# Altium PCB Drive.PcbDoc
Units mil, origin at the board's own origin, x right, y up, seen from the top; angles counter-clockwise.
Board outline 2755 x 1300 mil, 4 copper layers (Top Layer, GND, VCC, Bottom Layer), stack 26.556 mil thick; 45 components, 38 nets, 213 pads, 135 vias.
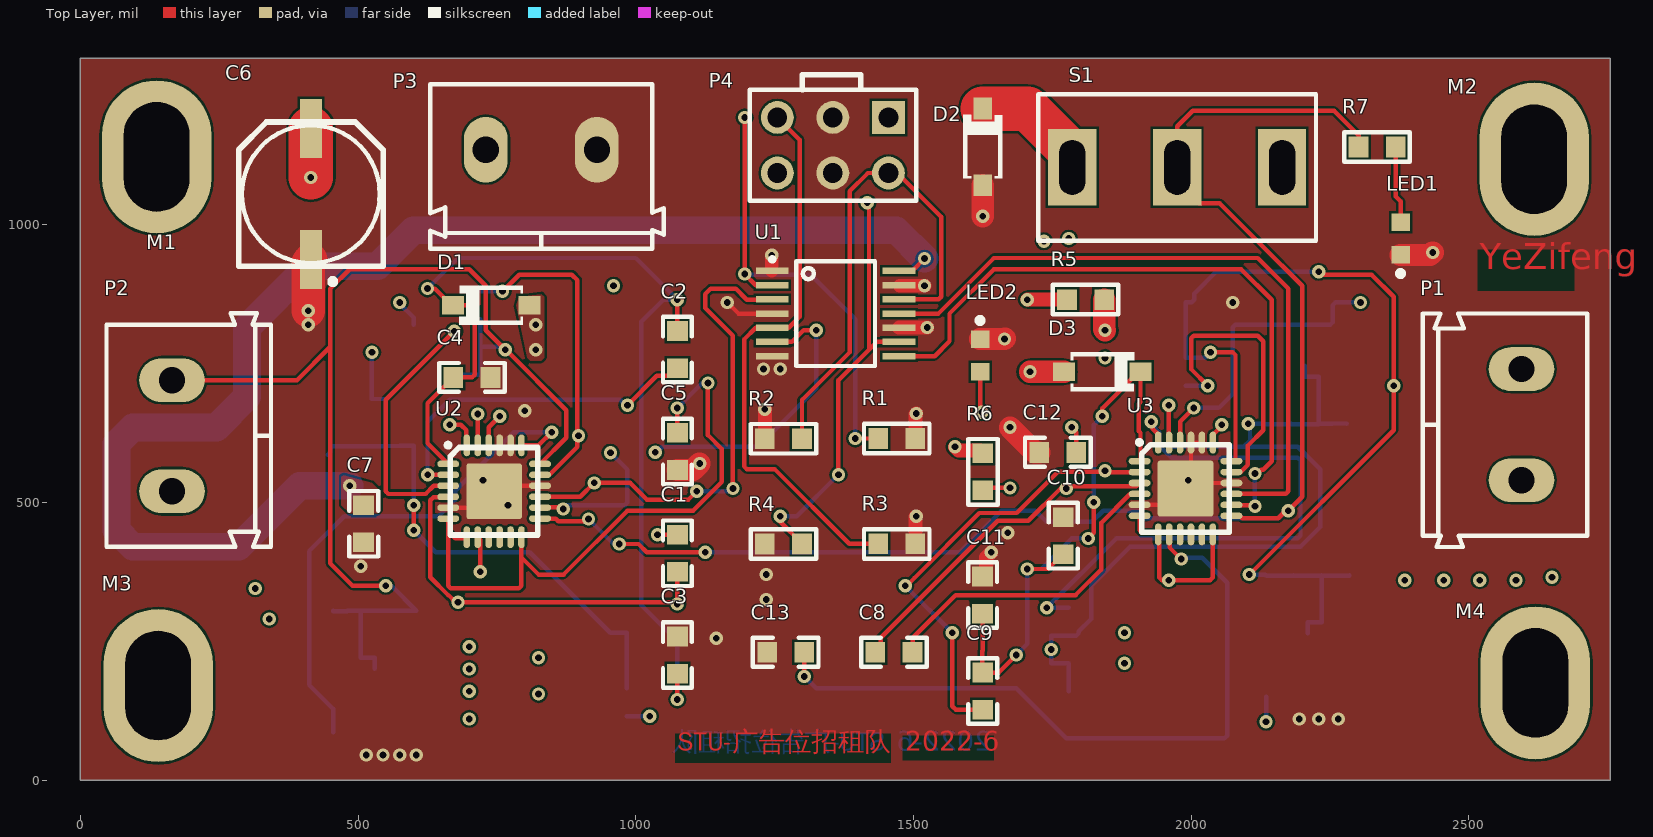
[diagram p0: Top Layer view]
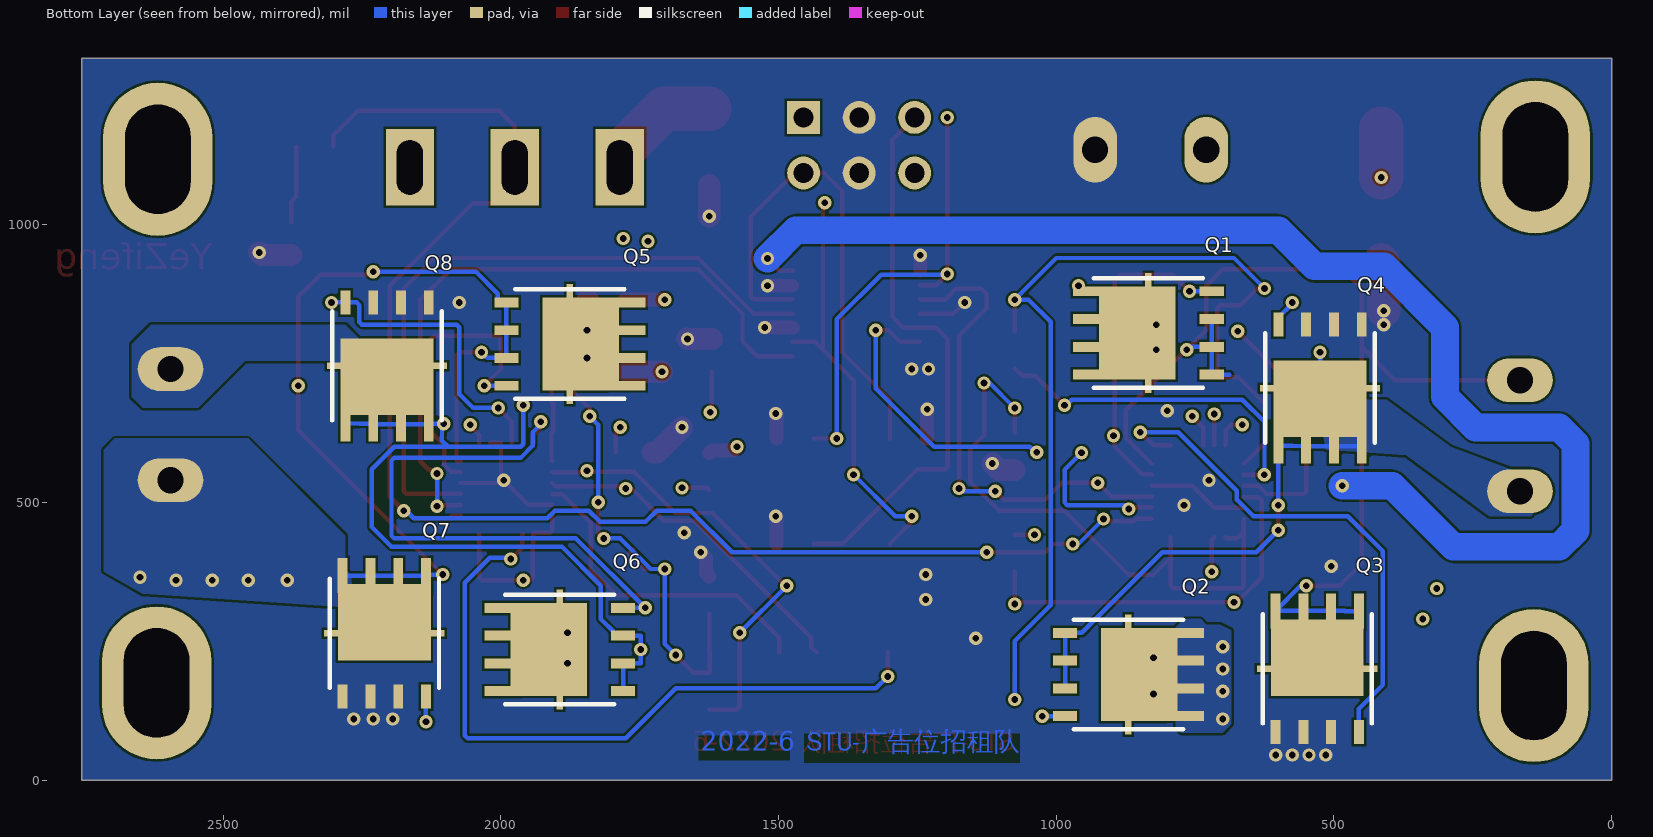
[diagram p1: Bottom Layer view, seen from below]
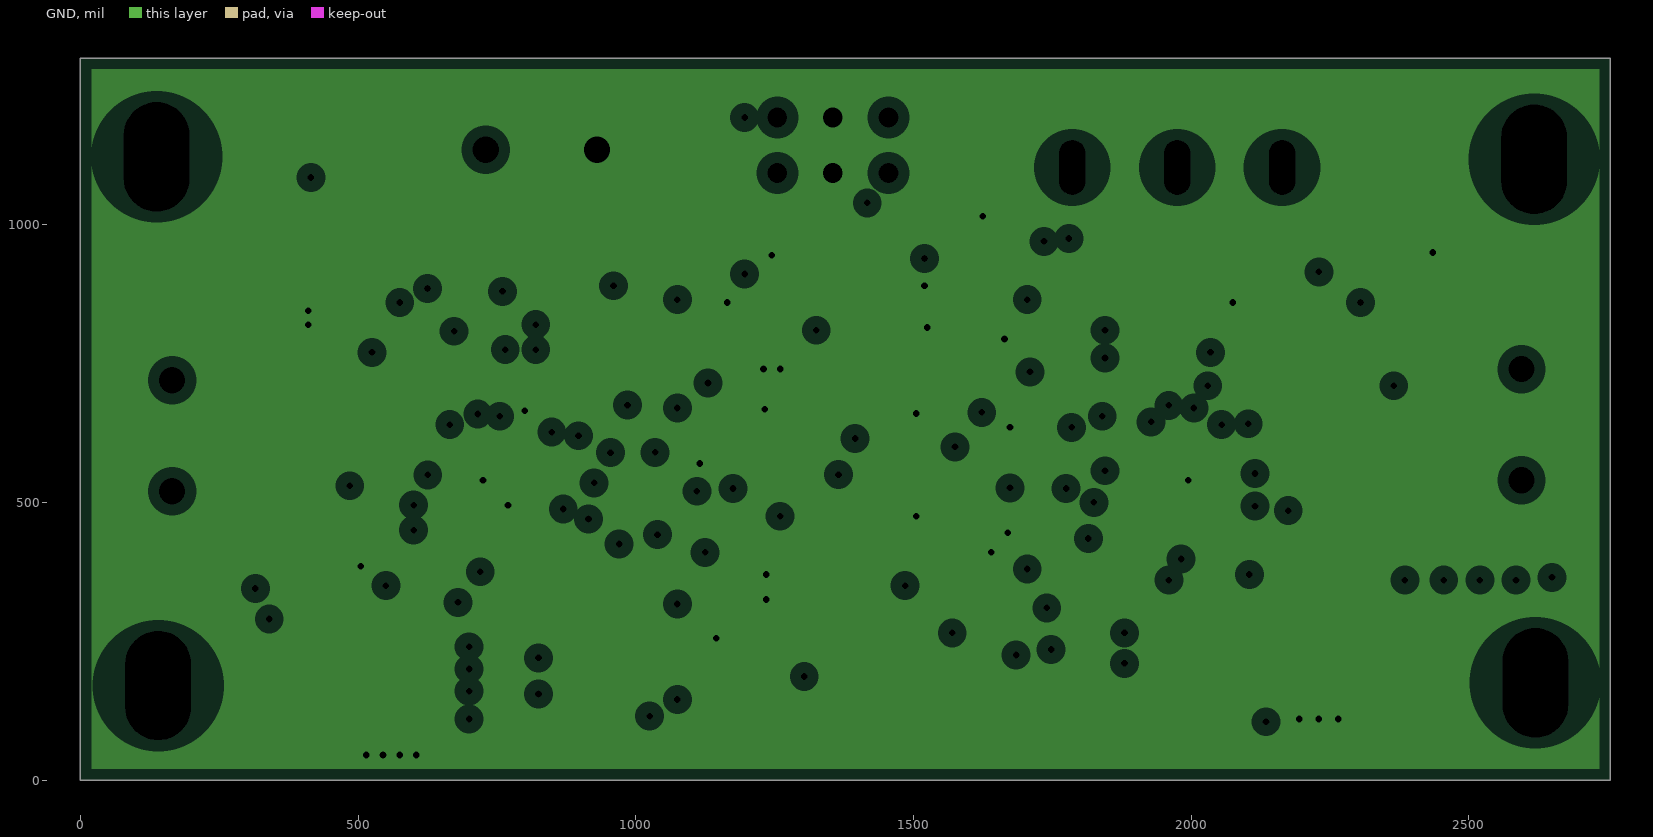
[diagram p2: GND, clearances drawn from the general rule]
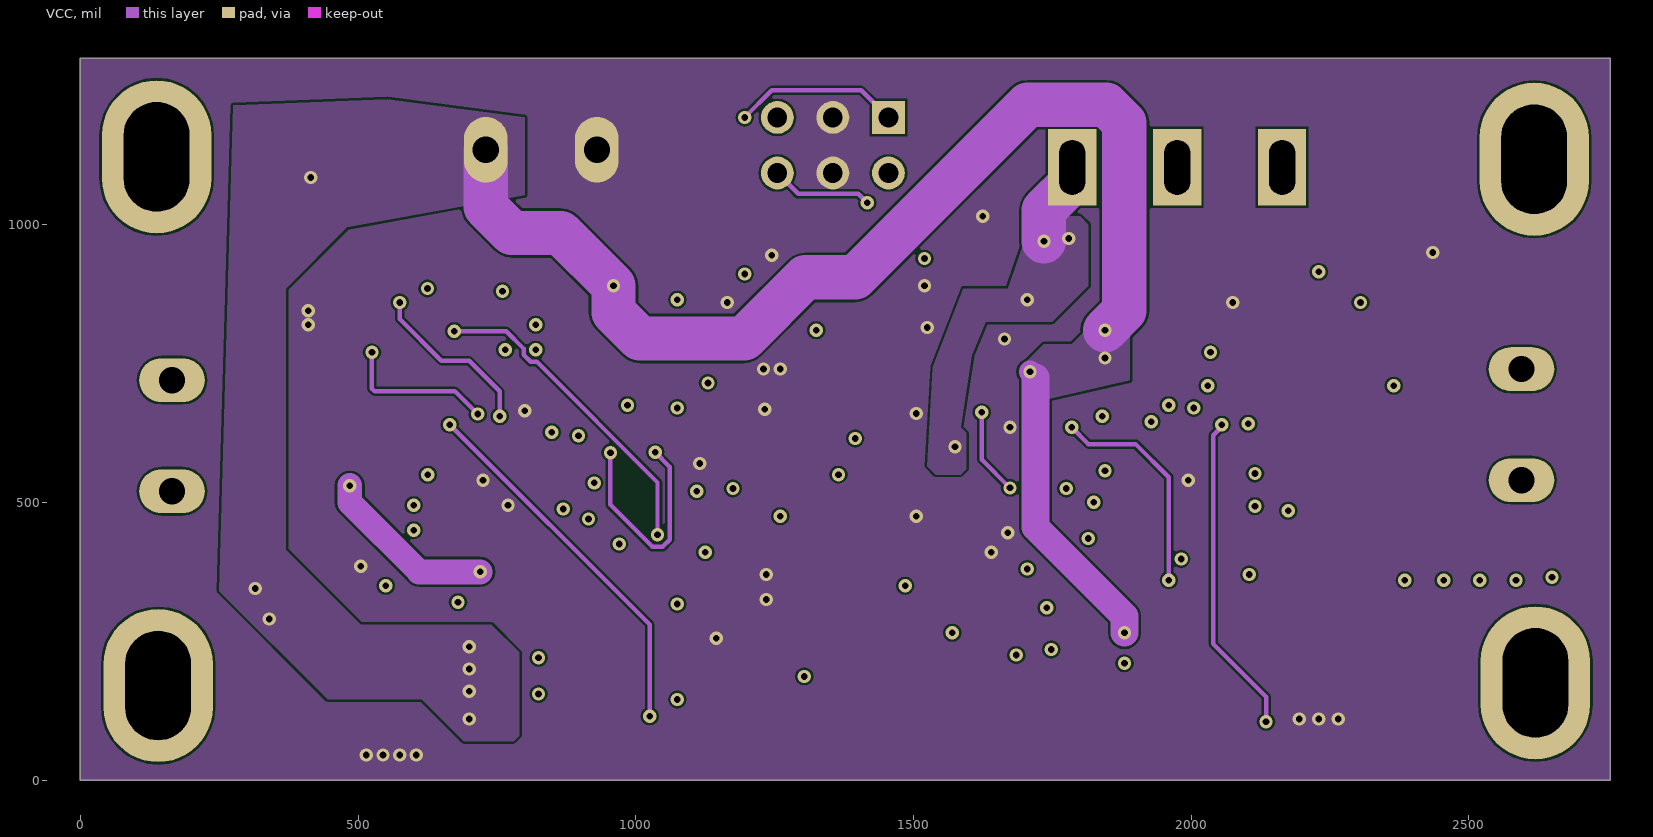
[diagram p3: VCC]
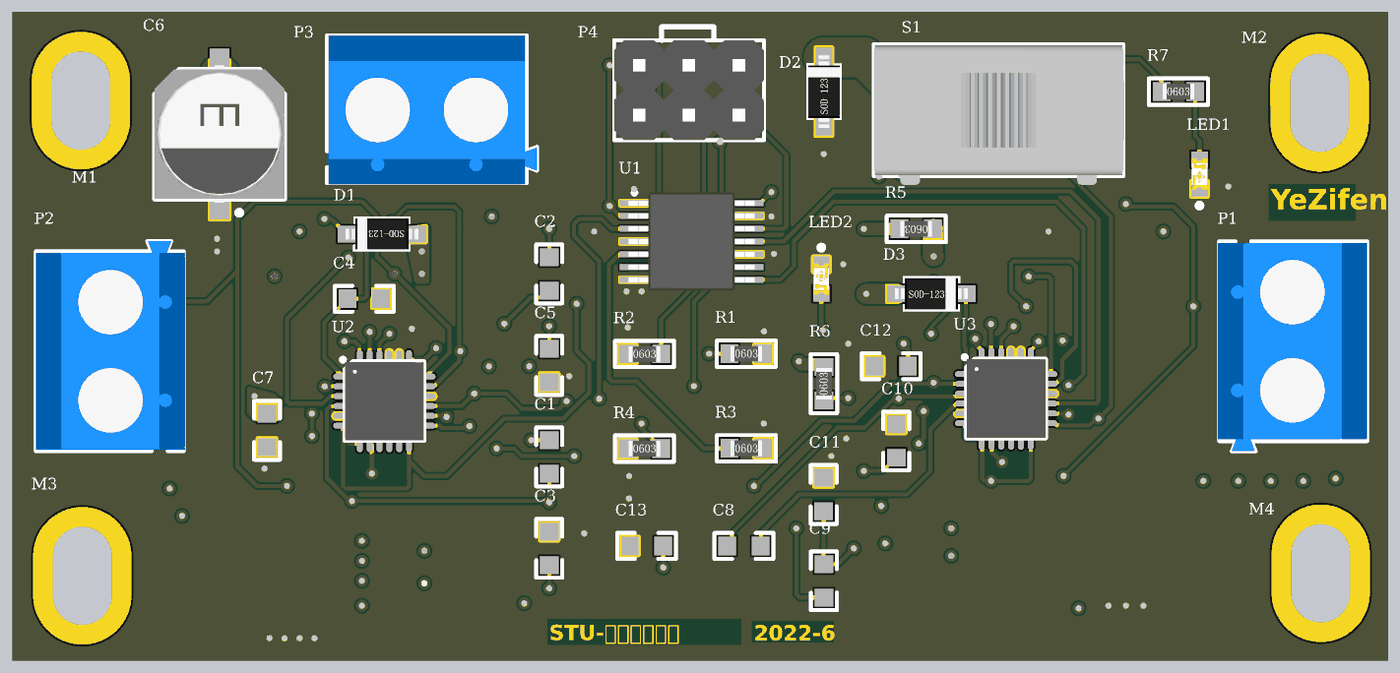
[diagram p4: 3D render of the assembled board from above, using the file's embedded part models]
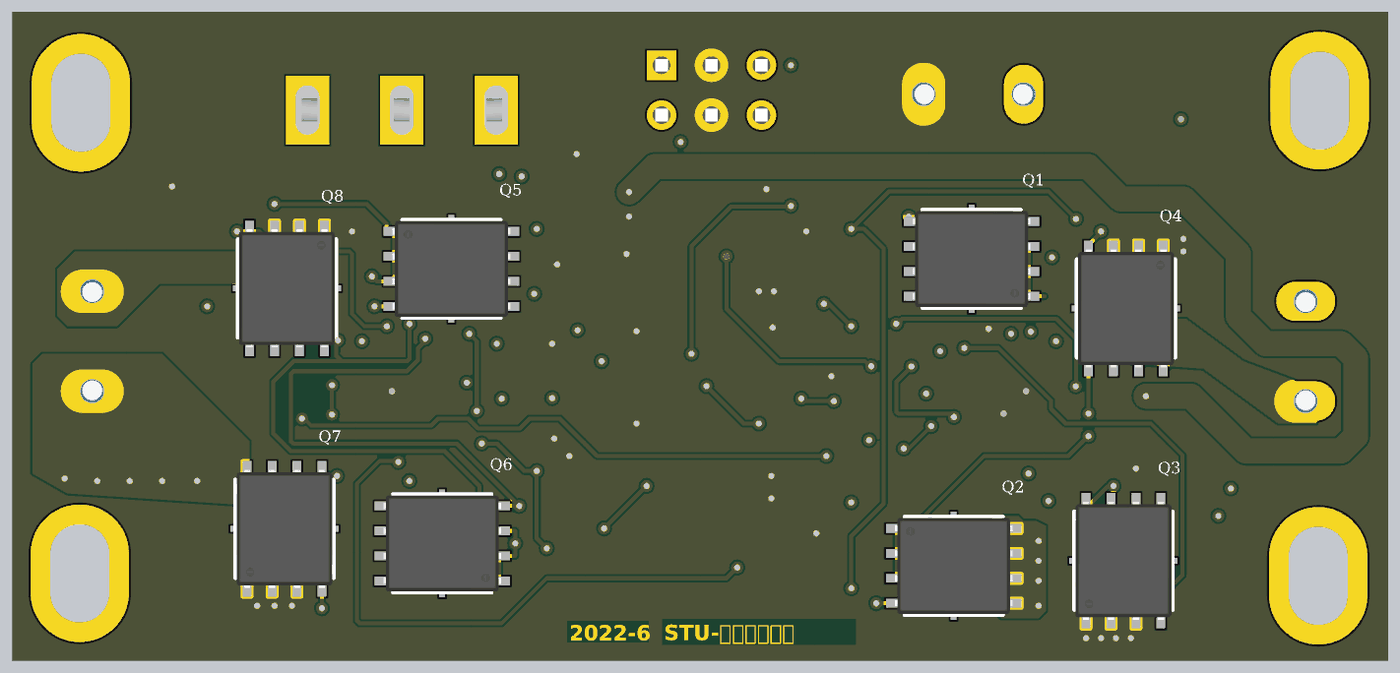
[diagram p5: 3D render of the assembled board from below, using the file's embedded part models]

## Layer stack, top to bottom
Top Solder: solder mask 0.4, Solder Resist, Dk 3.5
Top Layer: signal copper 1.4
Dielectric 2: prepreg 2.8, PP-006, Dk 4.1
GND: plane copper 1.378, net GND
Dielectric 4: prepreg 2.8, PP-006, Dk 4.1
VCC: signal copper 1.378
Dielectric 1: dielectric 12.6, FR-4, Dk 4.8
Dielectric 3: prepreg 2.8, PP-006, Dk 4.1
Bottom Layer: signal copper 1.4
Bottom Solder: solder mask 0.4, Solder Resist, Dk 3.5

## Board outline
0,0 0,1300 2755,1300 2755,0

## Design rules (kind name [scope] priority, off if disabled: settings)
Clearance [All] p1: gap=4 ignorepadtopadclearanceinfootprint=FALSE
PlaneClearance [All] p1: clearance=20
PlaneConnect [All] p1: planeconnectstyle=Direct reliefexpansion=20 reliefentries=4 reliefconductorwidth=10 reliefairgap=10
PolygonConnect [All] p1: connectstyle=Direct reliefconductorwidth=10 reliefentries=4 polygonreliefangle="90 Angle" airgapwidth=10
RoutingVias [All] p1: holewidth=12 width=24 viastyle="Through Hole" minholewidth=12 minwidth=24 maxholewidth=12 maxwidth=24
SilkToSolderMaskClearance [IsPad] p1: minsilkscreentomaskgap=0 clearancetoexposedcopper=TRUE
SolderMaskExpansion [All] p1: expansion=4 istentingtop=FALSE
Width Width_1 [InNetClass('PWR')] p1: maxlimit=80 minlimit=8 preferedwidth=80
Width [All] p2: maxlimit=8 minlimit=8 preferedwidth=8
27 further rules are at their usual default settings.

## Classes and differential pairs
net class net: L_A L_B L_EN L_EN_IN L_PH L_PH_IN NetC1_1 NetC1_2 NetC2_1 NetC2_2 NetC5_2 NetC8_1 NetC8_2 NetC9_1 NetC9_2 NetC12_2 NetC13_2 NetLED1_A NetLED2_A NetQ1_2 NetQ2_2 NetQ3_2 NetQ4_2 NetQ5_2 NetQ6_2 NetQ7_2 NetQ8_2 nSLEEP R_A R_B R_EN R_EN_IN R_PH R_PH_IN
net class PWR: 3.3V DVDD GND VM

## Components (designator, comment, footprint, x,y, rotation, side; value= is the part's Value field where it differs from the comment)
C1 "100nF ±10% 50V" CAPC1608[0603]S-N 1075,408.33 r90 top value=100nF
C2 "1uF ±10% 25V" CAPC1608[0603]S-N 1075,775 r90 top value=1uF
C3 "10uF ±10% 25V" CAPC1608[0603]S-N 1075,225 r90 top value=10uF
C4 "100nF ±10% 50V" CAPC1608[0603]S-N 705,725 r0 top value=100nF
C5 "1uF ±10% 25V" CAPC1608[0603]S-N 1075,591.67 r90 top value=1uF
C6 "220uF 25V" CAPS6.3 415,1055 r270 top value=220uF
C7 "1uF ±10% 25V" CAPC1608[0603]S-N 510,461.54 r90 top value=1uF
C8 "100nF ±10% 50V" CAPC1608[0603]S-N 1465,230 r180 top value=100nF
C9 "1uF ±10% 25V" CAPC1608[0603]S-N 1625,160 r90 top value=1uF
C10 "10uF ±10% 25V" CAPC1608[0603]S-N 1770,440 r90 top value=10uF
C11 "100nF ±10% 50V" CAPC1608[0603]S-N 1624.59,332.9 r90 top value=100nF
C12 "1uF ±10% 25V" CAPC1608[0603]S-N 1760,590 r0 top value=1uF
C13 "1uF ±10% 25V" CAPC1608[0603]S-N 1270,230 r0 top value=1uF
D1 "1N5819" SOD-123-L 740,855 r180 top
D2 "BZT52C3V3" SOD-123-L 1625,1140 r90 top
D3 "1N5819" SOD-123-L 1840,735 r0 top
LED1 "Blue" LEDC1608(0603) 2377.2,975 r90 top
LED2 "" LEDC1608(0603) 1620,764.53 r270 top
M1 "MountHole" M3-MountSlot 160,1105 r90 top
M2 "MountHole" M3-MountSlot 2595,1135 r270 top
M3 "MountHole" M3-MountSlot 162.8,152.83 r90 top
M4 "MountHole" M3-MountSlot 2642.8,157.83 r90 top
P1 "KF/WJ/DG 30x connecter" "KF/WJ/DG 301-2p-5.0mm" 2595,640 r90 top
P2 "KF/WJ/DG 30x connecter" "KF/WJ/DG 301-2p-5.0mm" 165,620 r270 top
P3 "KF/WJ/DG 30x connecter" "KF/WJ/DG 301-2p-5.0mm" 830,1135 r180 top
P4 "Header 3X2" HDR2X3 1455,1193.06 r180 top
Q1 "TPH1R403NL" DFN5x6 834.17,805 r90 bottom
Q2 "TPH1R403NL" DFN5x6 870,190 r270 bottom
Q3 "TPH1R403NL" DFN5x6 530,200.31 r180 bottom
Q4 "TPH1R403NL" DFN5x6 525,705.83 r0 bottom
Q5 "TPH1R403NL" DFN5x6 1875.83,785 r270 bottom
Q6 "TPH1R403NL" DFN5x6 1894.17,235 r90 bottom
Q7 "TPH1R403NL" DFN5x6 2210,264.17 r180 bottom
Q8 "TPH1R403NL" DFN5x6 2205,745.83 r0 bottom
R1 "10K ±1%" RESC1608[0603]S-N 1470,615 r0 top value=10K
R2 "10K ±1%" RESC1608[0603]S-N 1265.91,614.49 r0 top value=10K
R3 "10K ±1%" RESC1608[0603]S-N 1470,425.29 r0 top value=10K
R4 "10K ±1%" RESC1608[0603]S-N 1265.91,424.83 r0 top value=10K
R5 "2.2K ±1%" RESC1608[0603]S-N 1810,865 r180 top value=2.2K
R6 "1K ±1%" RESC1608[0603]S-N 1625,555 r90 top value=1K
R7 "330R ±1%" RESC1608[0603]S-N 2335,1140 r0 top value=330R
S1 "SW-SPDT" SS12D10 1975,1103.11 r180 top
U1 "SN74HC125PWR" TSSOP-14 1360,840 r0 top
U2 "DRV8701E" QFN24-4x4 745,520 r0 top
U3 "DRV8701E" QFN24-4x4 1990,525 r0 top

## Footprints (in the part's own frame and the unit in brackets; to place one, negate y for a bottom-side part, rotate by r counter-clockwise, add the part's x,y. Pads: shape width x height; smd on the part's side, far side on the other; paste and mask are expansions set on the pad)
CAPC1608[0603]S-N [mm]
  rect 0.9x0.95 smd: 1(-0.85,0) 2(0.85,0)
  silkscreen extent -1.5,-0.66 1.5,0.66, body extent -0.8,-0.41 0.8,0.41, height 0.79
CAPS6.3 [mm]
  rect 2.7x1 smd: 1(-3,0) 2(3,0)
  silkscreen extent -3.3,-3.3 4.12,3.3, body extent -3.5,-3.3 3.5,3.3, height 5.2
DFN5x6 [mm]
  rect 0.45x1.6 smd: 1(-1.905,2.65) 1(-0.635,2.65) 1(0.635,2.65) 1(1.905,2.65)
  rect 5.5x0.3 smd: 1(0,0)
  rect 4.25x3.5 smd: 1(0,0.5)
  rect 0.45x1.1 smd: 2(1.905,-2.9) 3(-1.905,-2.9) 3(-0.635,-2.9) 3(0.635,-2.9)
  silkscreen extent -2.5,-2.5 2.5,2.5, body extent -2.45,-3 2.45,3, height 1
HDR2X3 [mm]
  rect 1.5x1.5 hole 0.9: 1(0,0)
  round 1.5 hole 0.9: 2(0,2.54) 3(2.54,0) 4(2.54,2.54) 5(5.08,0) 6(5.08,2.54)
  silkscreen extent -1.27,-1.27 6.35,3.81, body extent -1.27,-1.27 6.35,3.81, height 8.54
"KF/WJ/DG 301-2p-5.0mm" [mm]
  oval 2x3 hole 1.2: 1(2.54,0) 2(-2.54,0)
  silkscreen extent -5.6,-3 5.08,4.53, body extent -5.6,-3 5,4.6, height 10
LEDC1608(0603) [mm]
  rect 0.8x0.85 smd: A(0.75,0) C(-0.75,0)
  silkscreen extent -1.73,-0.13 -1.48,0.12, body extent -0.8,-0.4 0.8,0.4, height 0.64
M3-MountSlot [mm]
  oval 7x5 hole 3 slot 5 at 0 deg: 1(0.436,0.579)
QFN24-4x4 [mm]
  rrect10% 2.55x2.55 smd: 0(0,0)
  oval 1x0.3 smd: 1(-2.1,1.25) 2(-2.1,0.75) 3(-2.1,0.25) 4(-2.1,-0.25) 5(-2.1,-0.75) 6(-2.1,-1.25) 13(2.1,-1.25) 14(2.1,-0.75) 15(2.1,-0.25) 16(2.1,0.25) 17(2.1,0.75) 18(2.1,1.25)
  oval 0.3x1 smd: 7(-1.25,-2.1) 8(-0.75,-2.1) 9(-0.25,-2.1) 10(0.25,-2.1) 11(0.75,-2.1) 12(1.25,-2.1) 19(1.25,2.1) 20(0.75,2.1) 21(0.25,2.1) 22(-0.25,2.1) 23(-0.75,2.1) 24(-1.25,2.1)
  silkscreen extent -2.21,-2 2,2.21, body extent -2,-2 2,2, height 0.9
RESC1608[0603]S-N [mm]
  rect 0.9x0.95 smd: 1(-0.85,0) 2(0.85,0)
  silkscreen extent -1.5,-0.67 1.5,0.67, body extent -0.8,-0.4 0.8,0.4, height 0.45
SOD-123-L [mm]
  rect 1x0.85 smd: A(-1.75,0) K(1.75,0)
  silkscreen extent -1.45,-0.9 1.47,0.9, body extent -1.85,-0.8 1.85,0.8, height 1.2
SS12D10 [mm]
  rect 2.2x3.5 hole 1.2 slot 2.5 at 90 deg mask+0.07: 1(-4.8,0) 2(0,0) 3(4.8,0)
  silkscreen extent -6.35,-3.35 6.35,3.35, body extent -6.4,-3.3 6.35,3.8, height 12.5
TSSOP-14 [mm]
  rect 1.5x0.3 smd mask+0.07: 1(-2.9,1.95) 2(-2.9,1.3) 3(-2.9,0.65) 4(-2.9,0) 5(-2.9,-0.65) 6(-2.9,-1.3) 7(-2.9,-1.95) 8(2.9,-1.95) 9(2.9,-1.3) 10(2.9,-0.65) 11(2.9,0) 12(2.9,0.65) 13(2.9,1.3) 14(2.9,1.95)
  silkscreen extent -2.99,-2.4 1.8,2.57, body extent -3.2,-2.5 3.2,2.5, height 1.13

## Part data
C1 C4 C8 C11: library part Cap-Chip_1, "贴片电容", Tolerance=±10%, Voltage=50V, Price(RMB)=0.000, Published=8-Jun-2000, Publisher="Altium Limited", Revision="July-2002: Re-released for DXP Platform."
C2 C5 C7 C9 C12 C13: library part Cap-Chip_2, "贴片电容", Tolerance=±10%, Voltage=25V, Price(RMB)=0.000, Published=8-Jun-2000, Publisher="Altium Limited", Revision="July-2002: Re-released for DXP Platform."
C3 C10: library part Cap-Chip, "贴片电容", Tolerance=±10%, Voltage=25V, Price(RMB)=0.000, Published=8-Jun-2000, Publisher="Altium Limited", Revision="July-2002: Re-released for DXP Platform."
C6: library part Cap-Elect, "Polarized Capacitor (Radial)", Voltage=25V, Price(RMB)=0.000, Published=8-Jun-2000, Publisher="Altium Limited", Revision="July-2002: Re-released for DXP Platform."
D1 D3: library part "Diode Schottky", "肖特基二极管 Diode", Imax=500mA, PartNumber=1N5819, Price(RMB)=0.000, Published=8-Jun-2000, Publisher="Altium Limited", Revision="July-2002: Re-released for DXP Platform."
D2: library part "Diode Zen", "3.3V稳压二极管 SOD-123", Price(RMB)=0.000, Published=8-Jun-2000, Publisher="Altium Limited", Revision="July-2002: Re-released for DXP Platform."
LED1: library part "LED Chip Blue", "Typical Chip LED", Color=Blue, Price(RMB)=0.00, Published=8-Jun-2000, Publisher="Altium Limited", Revision="July-2002: Re-released for DXP Platform."
LED2: library part "LED Chip Red", "Typical Chip LED", Price(RMB)=0.00, Published=8-Jun-2000, Publisher="Altium Limited", Revision="July-2002: Re-released for DXP Platform."
M1 M2 M3 M4: "固定孔"
P1 P2 P3: library part "KF/WJ/DG 30x", "接线端子 2Pin"
P4: "Header, 3-Pin, Dual row", LatestRevisionDate=17-Jul-2002, LatestRevisionNote="Re-released for DXP Platform.", Price(RMB)=0.00, Publisher="Altium Limited"
Q1 Q2 Q3 Q4 Q5 Q6 Q7 Q8: "东芝 N沟 MOS"
R1 R2 R3 R4: library part Res-Chip_1, "贴片电阻", Tolerance=±1%, Price(RMB)=0.000, Published=8-Jun-2000, Publisher="Altium Limited", Revision="July-2002: Re-released for DXP Platform."
R5: library part Res-Chip, "贴片电阻", Tolerance=±1%, Price(RMB)=0.000, Published=8-Jun-2000, Publisher="Altium Limited", Revision="July-2002: Re-released for DXP Platform."
R6: library part Res-Chip_2, "贴片电阻", Tolerance=±1%, Price(RMB)=0.000, Published=8-Jun-2000, Publisher="Altium Limited", Revision="July-2002: Re-released for DXP Platform."
R7: library part Res-Chip_3, "贴片电阻", Tolerance=±1%, Price(RMB)=0.000, Published=8-Jun-2000, Publisher="Altium Limited", Revision="July-2002: Re-released for DXP Platform."
S1: "单刀双掷开关 3脚船型、钮子、拨动开关 SPDT Subminiature Toggle Switch", Price(RMB)=0.000, Published=24-Mar-1999, Publisher="Altium Limited"
U1: "三态输出的四路缓冲器 TSSOP-20"
U2 U3: "DRV8701E Ti全桥驱动芯片"

## Via types
v1: diameter 24, hole 12, Top Layer to Bottom Layer, tented both sides, 135 vias

## Nets (pads, with @x,y where several pads share a name; then routed paths per layer and width w, separated by ;. In a path a pad name is that pad's centre, name@x,y a point inside that pad or via, vN(x,y) a via of type N, cw(c..) or ccw(c..) an arc to the next point about the centre after c; other vN are vias at no path point)
3.3V: D2.K R5.2 R6.2 S1.3 | length 500.4
  Top Layer w25: v1(1575,600) 1581.32,593.68 1619.78,593.68 R6.2 ; v1(1705,865) R5.2
  Top Layer w80: D2.K 1705.83,1208.9 1786.02,1128.7 S1.3
  VCC w80: v1(1735,970) 1735,1026.5 1786.02,1077.52 S1.3
  other v1: 1780,975
DVDD: C7.2 U1.14 U2.8 | length 2789.7
  Top Layer w8: U2.8 720,432.79 v1(720,375) v1@720,385 ; U1.14 1497.8,916.77 v1(1520,938.98) v1@1520,940
  VCC w45: v1(485,530) 485,500 610,375 v1(720,375)
  Bottom Layer w50: v1(485,530) 395,530 285,420 94.29,420 65,449.29 65,605.71 94.29,635 245,635 300,690 300,815 410,925 535,925 600,990 1468.98,990 v1(1520,938.98)
GND: C3.2 C4.2 C5.1 C6.2 C7.1 C10.2 C11.2 C12.1 C13.1 D2.A LED1.C LED2.C P3.2 P4.3 P4.4 Q3.3 Q4.3 Q7.3 Q8.3 R1.2 R2.1 R3.2 R4.1 U1.1 U1.4 U1.7 U1.10 U1.13 U2.0 U2.5 U2.16 U2.20 U2.21 U3.0 U3.5 U3.16 U3.20 U3.21 | length 1232.6
  Top Layer w8: U2.5 715.47,490.47 U2.0 754.84,529.84 U2.16 ; v1(1165,860) 1185,840 U1.4 ; U3.5 1950.47,495.47 v1(1995,540) 1999.84,544.84 U3.21 U3.20 ; U3.0@2000.16,534.84 U3.16
  Top Layer w25: R2.1 v1(1232.44,667.44) ; U1.1@1245,917.6 v1(1245,945) ; U1.10 1474.76,815 v1(1525,815) ; U1.13@1475.36,890 v1(1520,890) ; R3.2 1503.46,473.46 v1(1505,475) ; R1.2 1503.46,658.46 v1(1505,660) ; C11.2 1625.57,366.36 1630.79,371.58 1630.79,400.79 v1(1640,410)
  Top Layer w40: C5.1 1103.2,558.2 v1(1115,570) ; LED2.C v1(1664.06,794.06) v1@1665,795 ; v1(1625,1015) D2.A ; v1(1674,635) 1719,590 C12.1 ; LED1.C 2430.47,945.47 v1(2435,950)
  Top Layer w60: v1(410,845) 410,931.89 C6.2
  other v1: 515,45 545,45 575,45 605,45 2195,110 2230,110 2265,110 1145,255 1235,325 1235,370 505,385 1670,445 770,495 725,540 800,665 1230,740 1260,740 410,820 2075,860
L_A: P2.1 Q2.3 Q4.1 U2.23 | length 1407.1
  Top Layer w8: v1(600,450) v1(600,495) ; U2.23 v1(715.47,659)
  VCC w8: v1(525,770) 525,704.69 529.69,700 674.47,700 v1(715.47,659)
  Bottom Layer w8: Q4.1@445.14,585.32 450,590.18 Q4.1@450,601.5 ; Q4.1@450,601 Q4.1@500,601 ; Q4.1@500,601.5 Q4.1@500,601 ; v1(525,770) 525,705.83 525,686.14 550,686.14 Q4.1@550,601.5 ; v1(600,450) 640,410 809,410 954,265 Q2.3@984,265 ; v1(600,495) 600,601.5 600,602 575,602 574.5,601.5 Q4.1@550,601.5 ; Q2.3@984.17,165 984,165 Q2.3@984,215 ; Q2.3@984.17,215 Q2.3@984,215 ; Q2.3@984.17,265 Q2.3@984,265 ; Q4.1@500,601 550,601 Q4.1@550,601.5 ; Q2.3@984,215 Q2.3@984,265
L_B: P2.2 Q1.3 Q3.1 U2.18 | length 2160.1
  Top Layer w8: P2.2 390,720 450,780 ; v1(550,350) 490,350 450,390 450,780 ; v1(765,775) 730,810 730,890 700,920 485,920 450,885 450,780 ; v1@768,773 875,666 875,616.53 U2.18
  Bottom Layer w8: P2.2 P2.2@165.54,720 ; Q3.1@455,304.65 455,304 480,304 480.65,304.65 Q3.1@505,304.65 ; Q3.1@530,200.31 530,220 505,220 Q3.1@505,304.65 ; v1(550,350) 560,350 Q3.1@605,305 ; Q3.1@555,304.65 Q3.1@555,305 ; Q3.1@605,304.65 Q3.1@605,305 ; 688,730 720,730 Q1.3@720,780 ; Q1.3@720,830 Q1.3@720,780 ; v1(765,775) 760,780 Q1.3@720,780 ; Q3.1@505,304.65 505,305 Q3.1@555,305 ; Q3.1@555,305 Q3.1@605,305
L_EN: U1.6 U2.14 | length 1203.5
  Top Layer w8: U2.14 828.41,491.2 866.48,491.2 v1(869.53,488.16) ; U1.6 1281,788.82 1302.18,810 v1(1325,810)
  VCC w8: v1(954.44,589.44) 954.44,495.44 1030.09,419.8 1048.31,419.8 1061.2,432.69 1061.2,563.8 v1(1035,590)
  Bottom Layer w8: v1(869.53,488.16) 869.53,490.31 874.21,495 980.31,495 985,499.69 985,558.89 v1(954.44,589.44) ; v1(1035,590) 1037.69,590 1047.69,600 1220,600 1325,705 v1(1325,810)
L_EN_IN: P4.5 R3.1 U1.5 | length 1020.4
  Top Layer w8: P4.5 1295,1153.06 1295,834 1275.41,814.41 U1.5 1216,814.41 1195,793.41 1195,564.69 1199.69,560 1250,560 1384.71,425.29 R3.1
L_PH: U1.3 U2.15 | length 882.5
  Top Layer w8: U2.15 900.16,510.16 v1(925,535) 990,535 1020,505 1095,505 v1(1110,520) ; v1(1175,525) 1175,800 1125,850 1125,875 1135,885 1180,885 1200,865 1245.24,865 U1.3
  Bottom Layer w8: v1(1110,520) 1165.67,520 1170.67,525 v1(1175,525)
L_PH_IN: P4.1 R1.1 U1.2 | length 1128.7
  Top Layer w8: v1(1196,1193) v1(1196,911.18) 1216,891.18 U1.2 ; v1(1395,615) R1.1
  VCC w8: v1(1196,1193) 1245,1242 1406.06,1242 P4.1
  Bottom Layer w8: v1(1196,911.18) 1197.18,910 1315,910 1395,830 v1(1395,615)
NetC1_1: C1.1 U2.4 | length 696.4
  Top Layer w8: U2.4 661.59,509.43 635.81,509.43 630,503.62 630,365.04 662.04,333 662.67,333 675.67,320 1072,320 v1(1075,317) 1075,320 C1.1
  other v1: 680,320
NetC1_2: C1.2 U2.3 | length 1074.9
  Top Layer w8: U2.3 636.43,529.84 621.58,515 554.69,515 550,519.69 550,685 v1(673,808) ; v1(1039.2,441.8) C1.2
  VCC w8: v1(673,808) 767,808 798,777 798,765.89 810.89,753 822,753 1039.2,535.8 v1(1039.2,441.8)
NetC2_1: C2.1 U2.2 | length 631.5
  Top Layer w8: v1@625,550 v1(625.47,549.53) U2.2 ; v1(985,675) 1037.82,727.82 1061.28,727.82 C2.1
  Bottom Layer w8: v1(625.47,549.53) 625,550 625,645 665,685 972.31,685 982.31,675 v1(985,675)
NetC2_2: C2.2 C3.1 C4.1 D1.K U2.1 | length 1846.3
  Top Layer w8: v1(625,885) 638.15,885 668.15,855 D1.K 705.31,855 710,850.31 710,729.69 705.31,725 C4.1 625,678.46 625,606.53 U2.1 ; v1(1075,145) C3.1 ; C2.2 v1(1075,865)
  Bottom Layer w8: v1(625,885) 680,940 1000,940 v1(1075,865) 1050,865 1010,825 1010,315 1075,250 v1(1075,145)
NetC5_2: C5.2 U2.6 U2.7 U2.12 | length 1134.3
  Top Layer w8: U2.6 662.32,447.68 ; U2.7 694.03,435.56 694.03,435 675,435 662.32,447.68 ; U2.12 794.21,427.53 794.21,400.79 ; C5.2 v1(1075,670) ; v1(1130,715) 1130,621.19 1155,596.19 1155,536.72 1103.28,485 985,485 870,370 825,370 794.21,400.79 ; 662.32,447.68 662.32,349.69 667.01,345 789.53,345 794.21,349.69 794.21,400.79
  Bottom Layer w8: v1(1075,670) 1120,715 v1(1130,715)
NetC8_1: C8.1 U3.4 | length 590.1
  Top Layer w8: C8.1 1499.01,230.55 1499.01,256.01 1576,333 1792,333 1838,379 1838,463 1889.43,514.43 U3.4@1906.59,514.43
NetC8_2: C8.2 U3.3 | length 611.7
  Top Layer w8: C8.2 1441.01,239.48 1441.01,256.01 1651.68,466.68 1706.68,466.68 1765,525 v1(1775,525) 1779.06,529.06 1901.54,529.06 U3.3
NetC9_1: C9.1 U3.2 | length 817.8
  Top Layer w8: v1(1485,350) 1488,350 1501,363 1618.79,480.79 1685.99,480.79 1760.2,555 1843.16,555 v1(1845,556.84) ; v1(1570,265) 1570,133.07 1576.54,126.54 C9.1 ; v1@1845,554.53 U3.2
  Bottom Layer w8: v1(1485,350) v1(1570,265)
NetC9_2: C9.2 C10.1 C11.1 D3.K U3.1 | length 1067.7
  Top Layer w8: C11.1 1624.59,233 1624,232.41 1624,193.46 C9.2 1653.46,193.46 v1(1685,225) ; v1(1705,380) 1742.48,380 C10.1@1769.02,406.54 ; C10.1@1761.54,415 C10.1 ; v1(1815,435) 1825,445 v1(1825,500) ; v1(1840,655) 1840,669.05 1905.95,735 D3.K 1908.9,680.45 1906.16,677.71 1906.16,628.21 1908.9,625.47 1908.9,575.97 1907.32,574.4 U3.1
  Bottom Layer w8: v1(1685,225) 1705,245 v1(1705,380) 1730,380 1785,435 v1(1815,435) ; v1(1825,500) 1825,640 v1(1840,655)
NetC12_2: C12.2 U3.6 U3.7 U3.12 | length 765.6
  Top Layer w8: v1(1785,635) 1793.46,626.54 C12.2 ; U3.6 1907.32,449.69 1912.01,445 1939.03,445 1940.79,443.24 U3.7 1941.52,441.59 1941.52,425.12 1942.34,424.29 1942.34,364.69 1947.03,360 v1(1960,360) 2034.53,360 2039.21,364.69 U3.12
  VCC w8: v1(1785,635) 1815,605 1900,605 1960,545 v1(1960,360)
NetC13_2: C13.2 U3.8 | length 1286.2
  Top Layer w8: C13.2 v1(1303.46,186.54) v1@1305,185 ; U3.8 1961.2,441.59 1961.2,418.8 v1(1982,398)
  Bottom Layer w8: v1(1303.46,186.54) 1325,165 1685,165 1775,75 2060,75 2065,80 2065,355 2020,400 1984,400 v1(1982,398)
NetLED1_A: LED1.A R7.2 | length 139.1
  Top Layer w8: R7.2 2368.46,1050.74 2377.2,1042 LED1.A
NetLED2_A: LED2.A R6.1 | length 282.2
  Top Layer w8: LED2.A 1620,665 v1(1623,662) ; R6.1 1629.46,526 v1(1674,526)
  VCC w8: v1(1623,662) 1623,577 v1(1674,526)
NetQ1_2: Q1.2 U2.17 | length 580.6
  Top Layer w8: v1(760,880) 790,910 885,910 895,900 895,622 v1(897,620) ; U2.17 828.41,550.26 845.26,550.26 895,600 v1@895,620
  Bottom Layer w8: Q1.2 v1(760,880)
NetQ2_2: Q2.2 U2.24 | length 776.7
  Top Layer w8: v1(665,640) 685,640 695.06,629.94 695.06,603.41 U2.24
  VCC w8: v1(665,640) 1025,280 v1(1025,115)
  Bottom Layer w8: Q2.2 v1(1025,115)
NetQ3_2: Q3.2 U2.19 | length 943
  Top Layer w8: U2.19 824.95,602.68 v1(848.64,626.36)
  Bottom Layer w8: Q3.2 455,128.3 411.73,171.57 411.73,411.73 475,475 645,475 675,505 675,521.11 780.25,626.36 v1(848.64,626.36)
NetQ4_2: Q4.2 U2.22 | length 419.7
  Top Layer w8: U2.22 735.16,635.16 v1(755,655)
  VCC w8: v1(575,860) 575,830 650,755 700,755 755,700 v1(755,655)
  Bottom Layer w8: v1(575,860) 575,857.8 600,832.8 Q4.2
NetQ5_2: Q5.2 U3.17 | length 542.8
  Top Layer w8: v1(2030,710) 2000,740 2000,795.31 2004.69,800 2120,800 2130,790 2130,630 2102.36,602.36 2102.36,567.62 2090,555.26 2073.41,555.26 U3.17
  Bottom Layer w8: Q5.2 v1(2030,710)
NetQ6_2: Q6.2 U3.24 | length 1043.3
  Top Layer w8: v1(1928.16,645) 1931.22,641.94 1931.22,632.06 1940.79,622.49 U3.24
  Bottom Layer w8: Q6.2 v1(1740,310) 1865,435 2192.31,435 2197,439.69 2197,575.31 2192.31,580 1964.63,580 1942.95,601.68 1942.95,625.88 1928.16,640.67 v1(1928.16,645)
NetQ7_2: Q7.2 U3.19 | length 664.4
  Top Layer w8: U3.19 2039.21,621.46 2055,637.25 v1(2055,640)
  VCC w8: v1(2055,640) 2055,636.06 2040,621.06 2040,245 2135,150 v1(2135,105)
  Bottom Layer w8: v1(2135,105) Q7.2
NetQ8_2: Q8.2 U3.22 | length 539.7
  Top Layer w8: U3.22 1980.16,645.16 v1(2005,670)
  Bottom Layer w8: v1(2005,670) 2050,670 2075,695 2075,815.31 2079.69,820 2250.31,820 2255,824.69 2255,855.31 2259.69,860 v1(2305,860)
nSLEEP: R7.1 S1.2 U2.13 U3.13 | length 2739.6
  Top Layer w8: U2.13 855.79,470.79 860.42,466.16 906.83,466.16 910.67,470 v1(915,470) ; v1(970,425) 1005,425 1020,410 v1(1125,410) ; U3.13 2087.49,475.79 2092.12,471.16 2156.83,471.16 2170.67,485 v1(2175,485) 2200,510 2200,890 2125,965 2051.79,1038.21 2014.31,1038.21 1975,1077.52 S1.2 1975,1177 2003,1205 2257.54,1205 2301.54,1161 R7.1
  Bottom Layer w8: v1(915,470) 960,425 v1(970,425) ; v1(1125,410) 1583.5,410 1658.5,485 1719.56,485 1739.56,465 1821.68,465 1841.68,485 1902.74,485 1916.59,471.16 2156.83,471.16 2170.67,485 v1(2175,485)
R_A: P1.1 Q6.3 Q8.1 U3.23 | length 1620.2
  Top Layer w8: v1(1959.74,674.74) 1959.74,608.41 U3.23
  Bottom Layer w8: Q6.3@1780,160 1780,210 1748,210 v1(1748,235) 1748,260 1792.8,260 1797.65,264.86 1797.65,267.65 1820,290 1820,350 1890,420 2197.11,420 2232.69,455.57 2232.69,559.43 2192.11,600 2095,600 ; v1(1959.74,674.74) 1959.74,604.69 1964.43,600 2095,600 ; v1(2103,641.5) 2106.06,638.43 2106.06,618.56 2106.5,618.12 2106.5,611.5 2095,600 ; v1@2106.5,641.5 2130,641.5 2130,641 Q8.1@2180,641 ; Q8.1@2180,641.5 Q8.1@2180,641 ; Q8.1@2205,745.83 2205,726.14 2230,726.14 Q8.1@2230,641.5 ; Q8.1@2280,641.5 2280,642 2255,642 2254.5,641.5 Q8.1@2230,641.5 ; Q8.1@2180,641 2230,641 Q8.1@2230,641.5
R_B: P1.2 Q5.3 Q7.1 U3.18 | length 1735.4
  Top Layer w8: v1(2035,770) 2075.31,770 2080,765.31 2080,575.97 2078.24,574.21 U3.18 ; v1(2105,370) 2365,630 v1(2365,710) 2365,870 2325,910 2235,910 v1(2230,915)
  Bottom Layer w8: v1(2035,770) 2025,760 1990,760 1990,810 1990,860 2000.88,860 2005.74,864.86 2005.74,875.74 2045,915 v1(2230,915) ; v1(2105,370) 2133.5,370 2135,368.5 2135,368 Q7.1@2185,368 ; Q7.1@2185,368.5 Q7.1@2185,368 ; Q7.1@2210,264.17 2210,283.86 2235,283.86 Q7.1@2235,368 ; Q7.1@2235,368.5 Q7.1@2235,368 ; Q7.1@2285,368.5 2285,368 Q7.1@2235,368 ; Q7.1@2185,368 Q7.1@2235,368
  other v1: 2385,360 2455,360 2520,360 2585,360 2650,365
R_EN: U1.8 U3.14 | length 1220.1
  Top Layer w8: U1.8 1538.23,763.23 1565,790 1565,840 1645,920 2090,920 2145,865 2145,573.94 2130,558.94 2126.29,558.94 2119.33,551.98 v1(2115,551.98) ; U3.14 2073.41,494.74 2113.42,494.74 v1(2115,493.16)
  Bottom Layer w8: v1(2115,493.16) v1(2115,551.98)
R_EN_IN: P4.6 R4.2 U1.9 | length 960
  Top Layer w8: v1(1260,475) 1260,465.18 1299.37,425.81 R4.2 ; v1(1365,550) 1365,719.82 1420,774.82 ; v1(1416.85,1039.28) 1416.85,1035.15 1420,1032 1420,774.82 ; U1.9 1434,788.82 1420,774.82
  VCC w8: P4.6 1292.53,1055.54 1400.6,1055.54 v1(1416.85,1039.28)
  Bottom Layer w8: v1(1260,475) 1290,475 v1(1365,550)
R_PH: U1.11 U3.15 | length 1234.4
  Top Layer w8: U1.11 1545,840 1645,940 2120,940 2175,885 2175,519.84 2170.31,515.16 U3.15
R_PH_IN: P4.2 R2.2 U1.12 | length 912.4
  Top Layer w8: R2.2 1299.37,684.37 1385,770 1385,1060 1418.06,1093.06 P4.2 ; P4.2@1456.06,1092 1472,1092 1550,1014 1550,870.28 1545.31,865.59 U1.12
VM: C6.1 D1.A D3.A P3.1 Q1.1 Q2.1 Q5.1 Q6.1 R5.1 | length 2700.6
  Top Layer w40: v1(1710,735) D3.A ; R5.1 1843.46,811.54 v1(1845,810)
  Top Layer w80: v1(415,1085) C6.1
  VCC w40: v1(1710,735) 1720,725
  VCC w50: 1720,725 1720,455 1880,295 v1(1880,265)
  VCC w80: P3.1 730,1031.86 776.86,985 865,985 v1(960,890) 960,841.86 1006.86,795 1195,795 1305,905 1395,905 1706.01,1216.01 1847.56,1216.01 1880,1183.56 1880,845 v1(1845,810)
  other v1: 700,110 825,155 700,160 700,200 1880,210 825,220 700,240 340,290 315,345 1845,760 820,775 820,820
pads on no net: M1.1 M2.1 M3.1 M4.1 S1.1 U2.9 U2.10 U2.11 U3.9 U3.10 U3.11

## Polygon pours and split planes (outlines as drawn)
GND on Top Layer "GND_L01_P035" (solid, remove dead copper, pour order 35): 0,0 0,1300 2755,1300 2755,0
VM on Top Layer "VM_L01_P026" (solid, remove dead copper, pour order 26): 785,855 790,870 830,875 835,870 835,760 830,755 810,755 805,760
GND on Top Layer "GND_L01_P022" (solid, remove dead copper, pour order 22): 1214.29,759.29 1225,770 1270,770 1280,760 1280,730 1275,725 1220,725
GND on Top Layer "GND_L01_P019" (solid, remove dead copper, pour order 19): 1725,455 1750,480 1785,480 1790,475 1790,450 1750,450 1730,430 1652,430 1657,455
GND on Top Layer "GND_L01_P011" (solid, remove dead copper, pour order 11): 1049.29,269.29 1060,280 1180,280 1210,310 1210,440 1220,450 1250,450 1255,445 1255,210 1250,205 1210,205 1180,235 1055,235
DVDD on Top Layer "DVDD_L01_P009" (solid, remove dead copper, pour order 9): 470,550 470,495 485,480 535,480 540,485 540,520 525,535
GND on Top Layer "GND_L01_P005" (solid, remove dead copper, pour order 5): 725,745 725,705 745,685 775,685 775,640 750,615 750,585 755,580 780,580 780,620 815,655 815,700 775,740
GND on Top Layer "GND_L01_P004" (solid, remove dead copper, pour order 4): 485,435 485,450 495,455 545,455 580,420 580,375 575,370 500,370 480,390
no net on Top Layer "NONET_L01_P001" (solid, remove dead copper, pour order 1): 940,1105
GND on Bottom Layer "GND_L04_P037" (solid, remove dead copper, pour order 37): 0,0 0,1300 2755,1300 2755,0
GND on Bottom Layer "GND_L04_P034" (solid, remove dead copper, pour order 34): 1140,860 1155,875 1190,875 1200,865 1205,865 1205,795 1230,770 1285,770 1300,755 1300,725 1280,705 1230,705 1165,770
L_A on Bottom Layer "L_A_L04_P033" (solid, remove dead copper, pour order 33): 170,555 290,600 405,685 495,685 525,655 515,595 370,585 220,475 140,475
R_A on Bottom Layer "R_A_L04_P032" (solid, remove dead copper, pour order 32): 2190,735 2195,735 2280,820 2630,820 2665,785 2665,690 2645,670 2545,670 2460,755 2305,755 2275,725
R_B on Bottom Layer "R_B_L04_P031" (solid, remove dead copper, pour order 31): 2270,370 2280,380 2280,440 2455,615 2695,615 2715,595 2715,375 2645,335 2265,310
GND on Bottom Layer "GND_L04_P021" (solid, remove dead copper, pour order 21): 485,85 490,105 500,115 615,115 625,105 625,40 615,30 495,30
GND on Bottom Layer "GND_L04_P016" (solid, remove dead copper, pour order 16): 2055,870 2070,885 2235,885 2245,875 2245,840 2240,835 2065,835 2055,845
GND on Bottom Layer "GND_L04_P015" (solid, remove dead copper, pour order 15): 2170,175 2175,180 2295,180 2305,170 2305,105 2295,95 2180,95 2170,105
VM on Bottom Layer "VM_L04_P007" (solid, remove dead copper, pour order 7): 705,280 730,280 740,290 770,290 785,275 785,95 775,85 700,85 685,100 685,270
GND on Bottom Layer "GND_L04_P003" (solid, remove dead copper, pour order 3): 395,865 395,810 415,790 565,790 565,835 555,845 445,845 430,860
GND on VCC "GND_L03_P040" (solid, remove dead copper, pour order 40): 0,0 0,1300 2755,1300 2755,0
GND on VCC "GND_L03_P036" (solid, remove dead copper, pour order 36): 0,0 0,1300 2755,1300 2755,0
VM on VCC "VM_L03_P029" (solid, remove dead copper, pour order 29): 552.96,1226.27 800,1193.33 800,1053.18 480,995 370,885 370,415 505,280 740,280 790,230 790,80 780,70 690,70 615,145 445,145 250,340 275,1215
3.3V on VCC "3.3V_L03_P030" (solid, remove dead copper, pour order 30): 1589.8,885 1720,885 1735,870 1735,835 1725,825 1630,825 1605,765 1585,635 1595,625 1595,560 1585,550 1540,550 1525,565 1535.11,743.55
no net on VCC "NONET_L03_P028" (solid, remove dead copper, pour order 28): 1605,885
VM on VCC "VM_L03_P025" (solid, remove dead copper, pour order 25): 1695,745 1735,785 1785,785 1830,830 1875,830 1890,815 1890,720 1730,682.67 1730,710
3.3V on VCC "3.3V_L03_P024" (solid, remove dead copper, pour order 24): 1705,985 1705,995 1725,1015 1800,1015 1815,1000 1815,890 1750,825 1670,825 1655,840
GND on GND (split plane): 2734.9,20.1 20.1,20.1 20.1,1279.9 2734.9,1279.9

## Other copper
Top Layer:
  text "YeZifeng" at 2520,904.31 h80
  text "STU-广告位招租队" at 1075.06,41.27 h60
  text "2022-6" at 1485.06,40.56 h60
Bottom Layer:
  text "STU-广告位招租队" at 1449.94,41.27 h60
  text "2022-6" at 1639.94,40.56 h60

## Silkscreen, mask and mechanical layers (free items; w line width, h text height)
Top Overlay:
  lines w10: 1300.83,1243.06 1300,1243.06 1300,1270 1405,1270 1405,1245
Top Solder:
  text "YeZifeng" at 2520,904.31 h80
  text "STU-广告位招租队" at 1075.06,41.27 h60
  text "2022-6" at 1485.06,40.56 h60
Bottom Solder:
  text "STU-广告位招租队" at 1449.94,41.27 h60
  text "2022-6" at 1639.94,40.56 h60
Mechanical 1:
  lines w20: 10,0 0,0 ; 20,0 0,0 ; 0,0 0,1300 2755,1300 2755,0 0,0